# Altium PCB RK3568_DEV.PcbDoc (part 1 of 2)
Units mm, origin at the board's own origin, x right, y up, seen from the top; angles counter-clockwise.
Board outline 152.4 x 101.6 mm, 3 copper layers (Top Layer, Mid-Layer 2, Bottom Layer); 249 components, 356 nets, 1465 pads, 6 vias.
Unrouted connection lines stored in the file: 928.
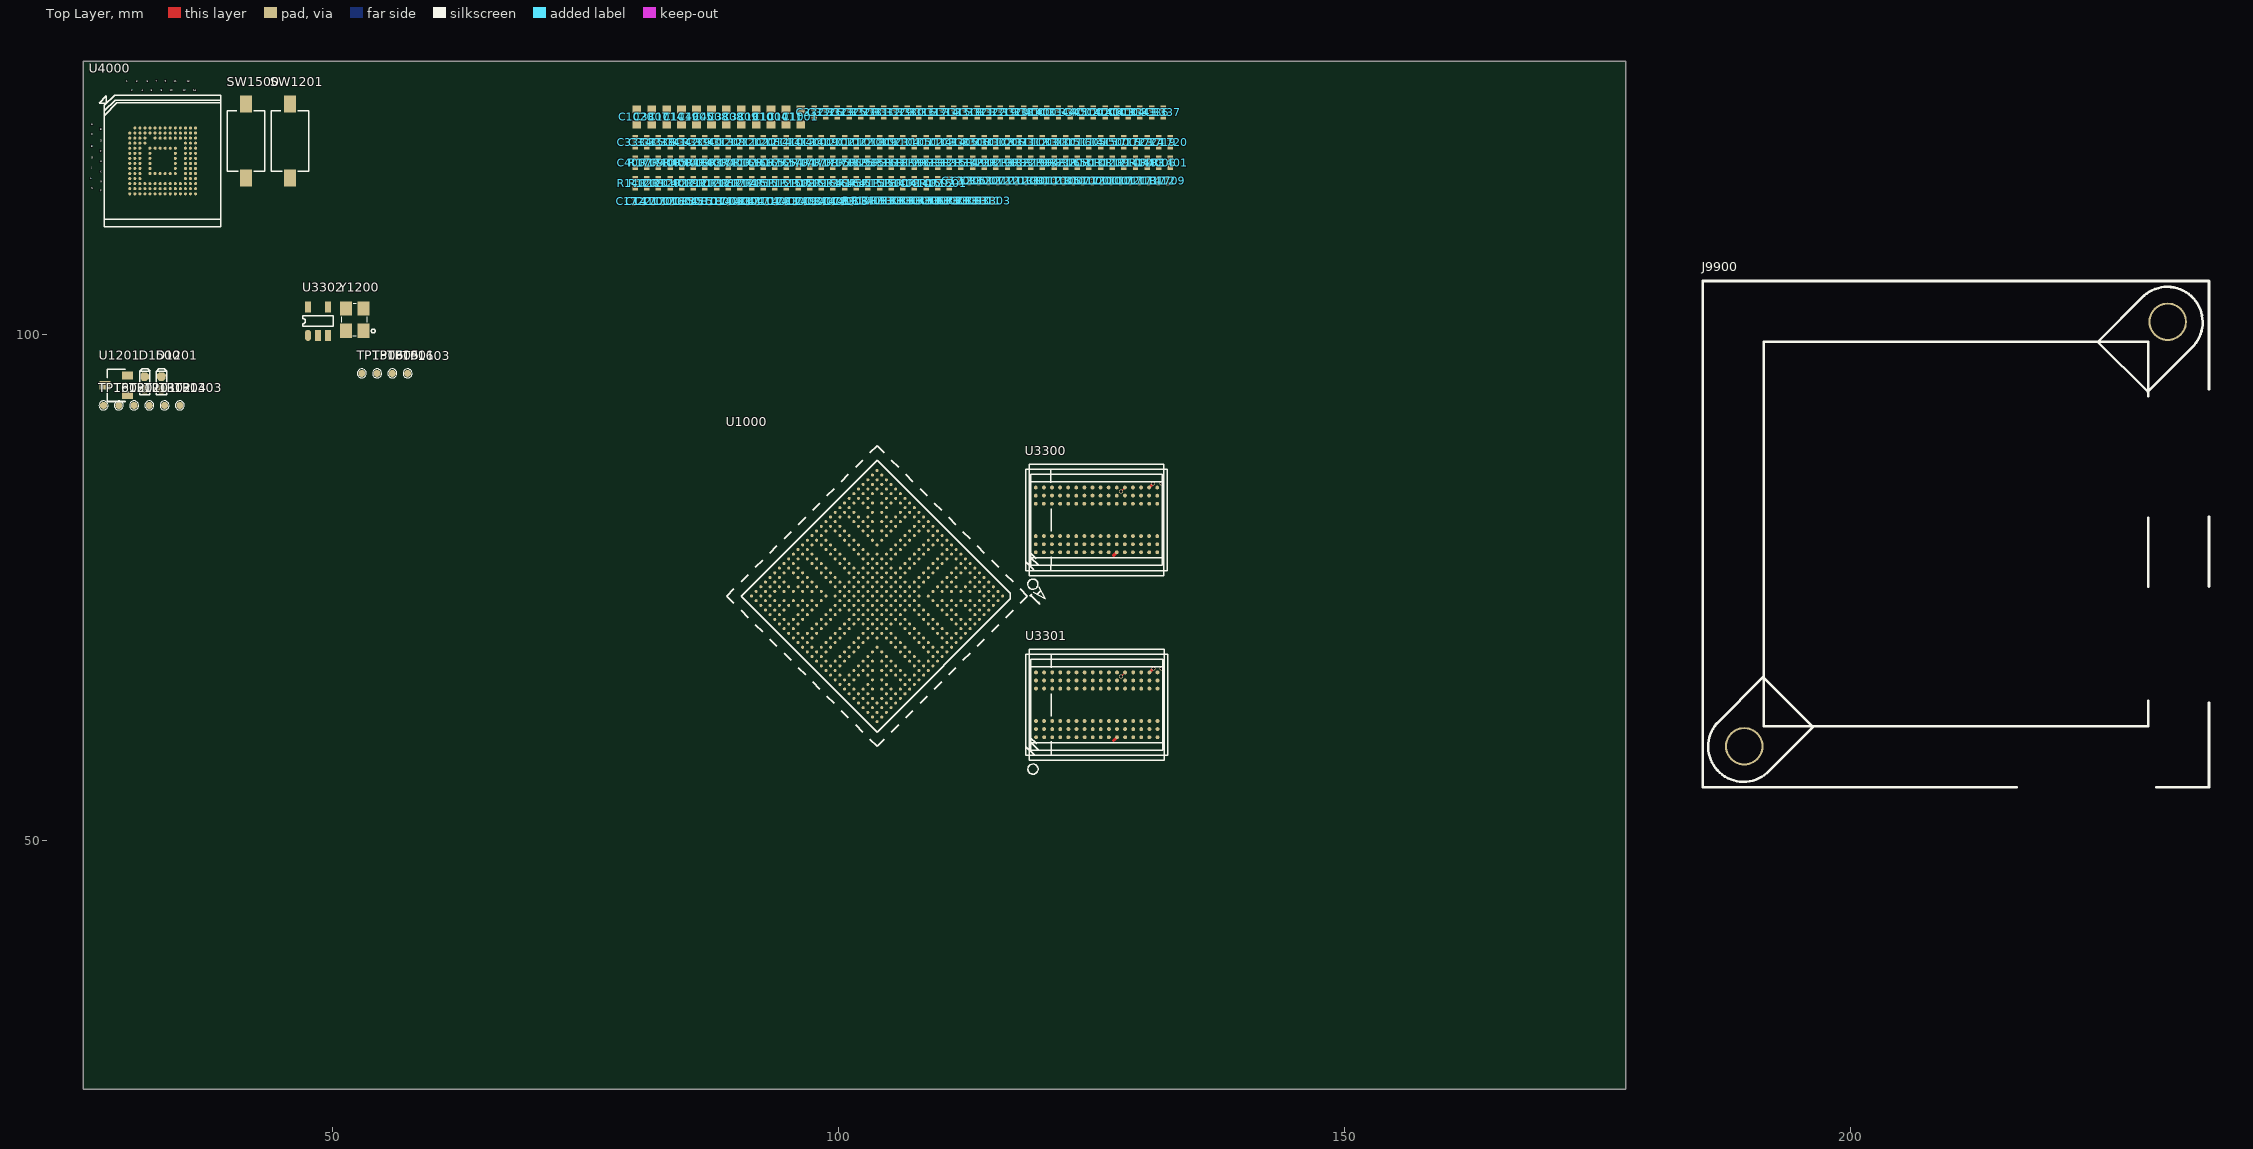
[diagram p0: Top Layer view]
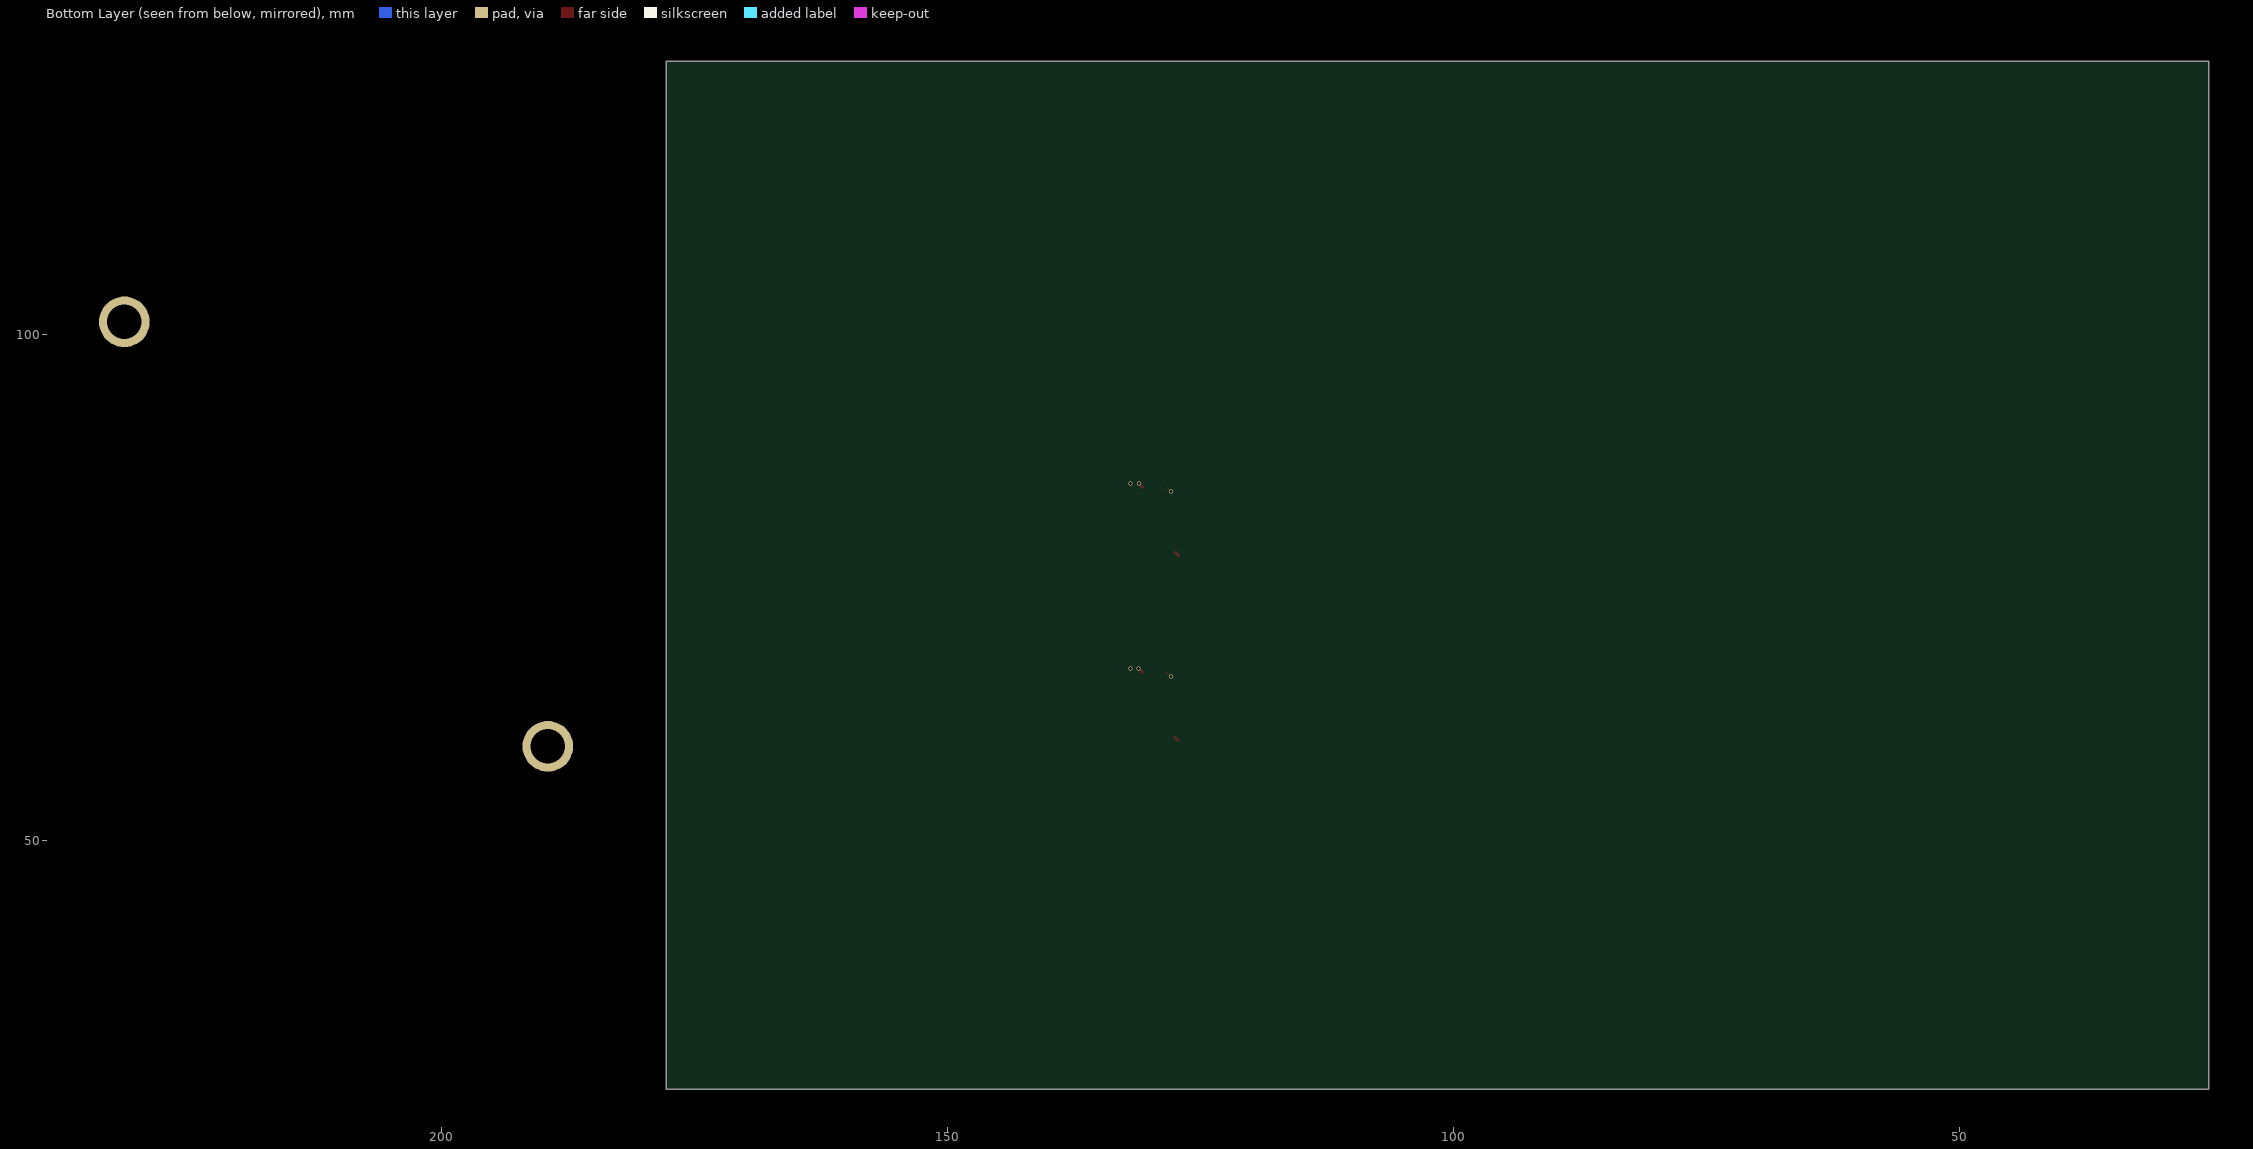
[diagram p1: Bottom Layer view, seen from below]

## Layer stack, top to bottom
Top Solder: solder mask 0.0102, Solder Resist, Dk 3.5
Top Layer: signal copper 0.0356
Dielectric 1: dielectric 0.32, FR-4, Dk 4.8
Mid-Layer 2: signal copper 0.0356
Dielectric2: dielectric 0.32, FR-4, Dk 4.8
Bottom Layer: signal copper 0.0356
Bottom Solder: solder mask 0.0102, Solder Resist, Dk 3.5

## Board outline
25.4,25.4 177.8,25.4 177.8,127 25.4,127

## Design rules (kind name [scope] priority, off if disabled: settings)
Clearance [All] p1: gap=0.254 ignorepadtopadclearanceinfootprint=FALSE
HoleSize [All] p1: absolutevalues=TRUE maxlimit=2.54 minlimit=0.3 maxpercent=80.000 minpercent=20.000
HoleToHoleClearance [All] p1: gap=0.1 allowstackedmicrovias=TRUE
MinimumSolderMaskSliver [All] p1: minsoldermaskwidth=0.1
PolygonConnect [All] p1: connectstyle=Relief reliefconductorwidth=0.254 reliefentries=4 polygonreliefangle="90 Angle" airgapwidth=0.254
RoutingVias [All] p1: holewidth=0.711 width=1.27 viastyle="Through Hole" minholewidth=0.711 minwidth=1.27 maxholewidth=0.711 maxwidth=1.27
SilkToSilkClearance [All] p1: silktosilkclearance=0.1
SilkToSolderMaskClearance [IsPad] p1: minsilkscreentomaskgap=0.1 clearancetoexposedcopper=TRUE
SolderMaskExpansion [All] p1: expansion=0.102 istentingtop=FALSE
SupplyNets "Schematic Supply Nets_20" [InNet('VCC_1V8')] p1: voltage=0.000
SupplyNets "Schematic Supply Nets_19" [InNet('USB3_AVDD_1V8')] p2: voltage=0.000
SupplyNets "Schematic Supply Nets_18" [InNet('USB2_AVDD_0V9')] p3: voltage=0.000
SupplyNets "Schematic Supply Nets_17" [InNet('VDDA_0V9')] p4: voltage=0.000
SupplyNets "Schematic Supply Nets_16" [InNet('VDD_CPU')] p5: voltage=0.000
SupplyNets "Schematic Supply Nets_15" [InNet('PCIE30_AVDD_0V9')] p6: voltage=0.000
SupplyNets "Schematic Supply Nets_14" [InNet('VCC_DDR')] p7: voltage=0.000
SupplyNets "Schematic Supply Nets_13" [InNet('VCC25_DDR')] p8: voltage=0.000
SupplyNets "Schematic Supply Nets_12" [InNet('PCIE30_AVDD_1V8')] p9: voltage=0.000
SupplyNets "Schematic Supply Nets_11" [InNet('VCC3V3_PMUIO')] p10: voltage=0.000
SupplyNets "Schematic Supply Nets_10" [InNet('USB2_AVDD_1V8')] p11: voltage=0.000
SupplyNets "Schematic Supply Nets_9" [InNet('VCCIO_FLASH')] p12: voltage=0.000
SupplyNets "Schematic Supply Nets_8" [InNet('GND')] p13: voltage=0.000
SupplyNets "Schematic Supply Nets_7" [InNet('VDD_GPU/NPU')] p14: voltage=0.000
SupplyNets "Schematic Supply Nets_6" [InNet('PCIE30_AVDD0V9')] p15: voltage=0.000
SupplyNets "Schematic Supply Nets_5" [InNet('VDD_LOGIC')] p16: voltage=0.000
SupplyNets "Schematic Supply Nets_4" [InNet('VREF_DDR4_CA')] p17: voltage=0.000
SupplyNets "Schematic Supply Nets_3" [InNet('VCCA_1V8')] p18: voltage=0.000
SupplyNets "Schematic Supply Nets_2" [InNet('USB3_AVDD_0V9')] p19: voltage=0.000
SupplyNets "Schematic Supply Nets_1" [InNet('VCC_3V3')] p20: voltage=0.000
SupplyNets "Schematic Supply Nets" [InNet('VCC3V3_SYS')] p21: voltage=0.000
Width [All] p1: maxlimit=0.254 minlimit=0.254 preferedwidth=0.254
25 further rules are at their usual default settings.

## Classes and differential pairs
component class "40.Flash-eMMC Flash": C4000 C4001 C4002 C4003 C4004 C4005 C4006 C4007 C4008 C4009 R4000 R4002 R4003 R4004 R4005 R4006 U4000
component class 33.DRAM-DDR4_2x16bit_96P: C3300 C3301 C3302 C3303 C3304 C3305 C3306 C3307 C3308 C3309 C3310 C3311 C3312 C3313 C3314 C3315 C3316 C3317 C3318 C3319 C3320 C3321 C3322 C3323 C3325 C3326 C3327 C3328 C3329 C3330 C3331 C3332 C3333 C3334 C3335 C3336 C3337 C3338 C3339 C3340 C3341 C3342 C3343 C3344 C3345 R3300 R3301 R3302 R3303 R3304 R3305 R3306 R3307 R3308 R3309 R3310 R3311 R3312 R3313 R3314 R3315 R3316 R3317 R3318 R3319 R3320 R3321 R3322 R3323 R3325 U3300 U3301 U3302
component class "19.RK3568_Audio Interface": C1900 R1901 R1902 R1904 R1905 R1906
component class "18.RK3568_VO Interface_2": C1800 C1801 R1803 R1813
component class "17.RK3568_VO Interface_1": C1700 C1701 C1708 C1709 C1710 C1712 C1716 C1717 C1718 C1719 C1720 C1721 C1722 C1723 C1724 R1704 R1705 R1706 R1707 R1708 R1709 R1710 R1711 R1713
component class "16.RK3568_VI Interface": C1604 C1605 R1641 R1643 R1645 R1650 R1652 R1654 R1660 R1667 TP1601 TP1602 TP1603
component class 15.RK3568_SARADCGPIO: C1500 C1508 C1510 C1511 C1517 D1500 R1500 R1501 R1502 R1508 R1509 R1510 R1511 R1512 R1513 R1515 R1516 SW1500
component class "14.RK3568_USBPCIeSATA PHY": C1400 C1401 C1402 C1403 C1404 C1405 C1406 C1407 C1408 C1409 C1410 C1411 C1412 C1413 C1414 C1415 R1400 R1401 R1402 R1403 R1406 R1407 R1408 R1410
component class "13.RK3568_FlashSD Controller": C1300 C1301 R1310 R1311 TP1301 TP1302 TP1303 TP1304 TP1305 TP1306
component class 12.RK3568_OSCPLLPMUIO: C1200 C1201 C1202 C1203 C1205 C1206 C1207 C1208 C1209 C1210 C1211 C1212 C1213 C1214 D1201 R1200 R1201 R1202 R1203 R1204 R1205 R1206 R1207 R1208 R1209 R1210 SW1201 TP1201 U1201 Y1200
component class "11.RK3568_DDR PHY": C1100 C1101 C1102 C1103 C1104 C1105 R1100
component class 10.RK3568_PowerGND: C1000 C1001 C1002 C1003 C1004 C1005 C1006 C1007 C1009 C1010 C1011 C1012 C1013 C1014 C1017 C1018 C1019 C1020 C1021 C1022 C1023 J9900 U1000

## Components (designator, comment, footprint, x,y, rotation, side; value= is the part's Value field where it differs from the comment)
C1000 "100nF" C0201 125.101,115.168 r90 top
C1001 "22uF" C0603 96.321,121.475 r90 top
C1002 "4.7uF" C0402 125.219,121.933 r90 top
C1003 "4.7uF" C0402 120.181,119.01 r90 top
C1004 "22uF" C0603 93.374,121.475 r90 top
C1005 "100nF" C0201 122.3,115.168 r90 top
C1006 "4.7uF" C0402 116.732,119.01 r90 top
C1007 "100nF" C0201 123.234,115.168 r90 top
C1009 "4.7uF" C0402 104.087,119.01 r90 top
C1010 "22uF" C0603 91.901,121.475 r90 top
C1011 "10uF" C0603 94.848,121.475 r90 top
C1012 "100nF" C0201 120.433,115.168 r90 top
C1013 "100nF" C0201 121.367,115.168 r90 top
C1014 "22uF" C0603 83.059,121.475 r90 top
C1017 "100nF" C0201 124.168,115.168 r90 top
C1018 "4.7uF" C0402 102.937,119.01 r90 top
C1019 "22uF" C0603 84.533,121.475 r90 top
C1020 "10uF" C0603 80.112,121.475 r90 top
C1021 "4.7uF" C0402 100.638,119.01 r90 top
C1022 "4.7uF" C0402 101.787,119.01 r90 top
C1023 "4.7uF" C0402 105.236,119.01 r90 top
C1100 "100nF" C0201 126.968,115.168 r90 top
C1101 "100nF" C0201 127.902,115.168 r90 top
C1102 "4.7uF" C0402 108.685,119.01 r90 top
C1103 "4.7uF" C0402 109.835,119.01 r90 top
C1104 "4.7uF" C0402 106.386,119.01 r90 top
C1105 "4.7uF" C0402 107.535,119.01 r90 top
C1200 "100nF" C0201 126.035,115.168 r90 top
C1201 "18pF" C0402 99.488,119.01 r90 top
C1202 "18pF" C0402 91.441,119.01 r90 top
C1203 "100nF" C0201 112.031,115.168 r90 top
C1205 "100nF" C0201 112.964,115.168 r90 top
C1206 "1uF" C0402 92.59,119.01 r90 top
C1207 "100nF" C0201 114.832,115.168 r90 top
C1208 "4.7uF" C0402 89.142,119.01 r90 top
C1209 "100nF" C0201 118.566,115.168 r90 top
C1210 "100nF" C0201 116.699,115.168 r90 top
C1211 "1uF" C0402 90.291,119.01 r90 top
C1212 "100nF" C0201 115.765,115.168 r90 top
C1213 "100nF" C0201 117.632,115.168 r90 top
C1214 "1uF" C0402 93.74,119.01 r90 top
C1300 "100nF" C0201 113.898,115.168 r90 top
C1301 "100nF" C0201 119.5,115.168 r90 top
C1400 "100nF" C0402 97.189,119.01 r90 top
C1401 "100nF" C0201 93.846,113.127 r90 top
C1402 "100nF" C0201 94.779,113.127 r90 top
C1403 "100nF" C0201 89.178,113.127 r90 top
C1404 "100nF" C0201 90.111,113.127 r90 top
C1405 "100nF" C0201 99.447,113.127 r90 top
C1406 "100nF" C0201 100.381,113.127 r90 top
C1407 "100nF" C0201 98.514,113.127 r90 top
C1408 "100nF" C0201 96.647,113.127 r90 top
C1409 "4.7uF" C0402 98.339,119.01 r90 top
C1410 "4.7uF" C0402 94.89,119.01 r90 top
C1411 "100nF" C0201 80.775,113.127 r90 top
C1412 "100nF" C0201 131.636,115.168 r90 top
C1413 "4.7uF" C0402 96.039,119.01 r90 top
C1414 "4.7uF" C0402 110.984,119.01 r90 top
C1415 "1uF" C0402 125.929,119.01 r90 top
C1500 "1nF" C0402 127.079,119.01 r90 top
C1508 "100nF" C0201 85.443,113.127 r90 top
C1510 "100nF" C0201 86.377,113.127 r90 top
C1511 "1uF" C0402 123.63,119.01 r90 top
C1517 "100nF" C0201 87.311,113.127 r90 top
C1604 "100nF" C0201 84.51,113.127 r90 top
C1605 "1uF" C0402 124.779,119.01 r90 top
C1700 "100nF" C0201 81.709,113.127 r90 top
C1701 "100nF" C0201 82.643,113.127 r90 top
C1708 "100nF" C0201 83.576,113.127 r90 top
C1709 "100nF" C0201 132.57,115.168 r90 top
C1710 "100nF" C0201 91.979,113.127 r90 top
C1712 "100nF" C0201 92.912,113.127 r90 top
C1716 "100nF" C0402 128.228,119.01 r90 top
C1717 "100nF" C0201 130.703,115.168 r90 top
C1718 "100nF" C0201 129.769,115.168 r90 top
C1719 "1uF" C0402 131.677,119.01 r90 top
C1720 "1uF" C0402 132.827,119.01 r90 top
C1721 "100nF" C0201 128.836,115.168 r90 top
C1722 "100nF" C0201 79.842,113.127 r90 top
C1723 "4.7uF" C0402 129.378,119.01 r90 top
C1724 "4.7uF" C0402 130.527,119.01 r90 top
C1800 "100nF" C0201 88.244,113.127 r90 top
C1801 "1uF" C0402 122.48,119.01 r90 top
C1900 "100nF" C0201 97.58,113.127 r90 top
C3300 "100pF" C0201 95.713,113.127 r90 top
C3301 "1nF" C0402 114.433,119.01 r90 top
C3302 "1nF" C0402 115.583,119.01 r90 top
C3303 "1nF" C0201 101.315,113.127 r90 top
C3304 "1nF" C0201 91.045,113.127 r90 top
C3305 "1nF" C0402 112.134,119.01 r90 top
C3306 "1nF" C0402 113.283,119.01 r90 top
C3307 "10uF" C0603 81.585,121.475 r90 top
C3308 "10uF" C0603 88.953,121.475 r90 top
C3309 "10uF" C0603 90.427,121.475 r90 top
C3310 "1uF" C0402 121.331,119.01 r90 top
C3311 "100nF" C0402 117.882,119.01 r90 top
C3312 "100nF" C0402 119.031,119.01 r90 top
C3313 "100nF" C0402 87.992,119.01 r90 top
C3314 "100nF" C0402 110.274,121.933 r90 top
C3315 "100nF" C0402 111.423,121.933 r90 top
C3316 "100nF" C0402 107.975,121.933 r90 top
C3317 "100nF" C0402 109.124,121.933 r90 top
C3318 "100nF" C0402 112.573,121.933 r90 top
C3319 "100nF" C0402 116.022,121.933 r90 top
C3320 "100nF" C0402 117.171,121.933 r90 top
C3321 "100nF" C0402 113.723,121.933 r90 top
C3322 "1uF" C0402 114.872,121.933 r90 top
C3323 "4.7uF" C0402 99.927,121.933 r90 top
C3325 "100nF" C0402 101.077,121.933 r90 top
C3326 "100nF" C0402 98.778,121.933 r90 top
C3327 "100nF" C0402 97.628,121.933 r90 top
C3328 "100nF" C0402 102.227,121.933 r90 top
C3329 "100nF" C0402 105.675,121.933 r90 top
C3330 "DNP" C0402 106.825,121.933 r90 top
C3331 "1uF" C0402 103.376,121.933 r90 top
C3332 "100nF" C0402 104.526,121.933 r90 top
C3333 "100nF" C0402 118.321,121.933 r90 top
C3334 "100nF" C0402 79.945,119.01 r90 top
C3335 "100nF" C0402 81.094,119.01 r90 top
C3336 "100nF" C0402 130.967,121.933 r90 top
C3337 "100nF" C0402 132.116,121.933 r90 top
C3338 "100nF" C0402 82.244,119.01 r90 top
C3339 "100nF" C0402 85.693,119.01 r90 top
C3340 "100nF" C0402 86.842,119.01 r90 top
C3341 "100nF" C0402 83.394,119.01 r90 top
C3342 "100nF" C0402 84.543,119.01 r90 top
C3343 "100nF" C0402 129.817,121.933 r90 top
C3344 "100nF" C0402 121.77,121.933 r90 top
C3345 "100nF" C0402 122.919,121.933 r90 top
C4000 "100nF" C0402 119.471,121.933 r90 top
C4001 "100nF" C0402 120.62,121.933 r90 top
C4002 "100nF" C0402 124.069,121.933 r90 top
C4003 "100nF" C0402 127.518,121.933 r90 top
C4004 "100nF" C0402 128.667,121.933 r90 top
C4005 "4.7uF" C0603 86.006,121.475 r90 top
C4006 "100nF" C0402 126.368,121.933 r90 top
C4007 "100nF" C0402 79.945,116.969 r90 top
C4008 "4.7uF" C0603 87.48,121.475 r90 top
C4009 "2.2uF" C0402 84.543,114.928 r90 top
D1201 "ESD5451N" ESD0402 33.16,95.187 r90 top
D1500 "ESD5451N" ESD0402 31.507,95.187 r90 top
J9900 "散热器" RADIATOR_38RX38RX10R 210.439,80.264 r0 top
R1100 "120R" R0201 102.248,113.193 r90 top
R1200 "22R" R0402 85.698,114.911 r90 top
R1201 "0R" R0402 82.249,114.911 r90 top
R1202 "1M" R0402 83.399,114.911 r90 top
R1203 "10K" R0402 86.847,114.911 r90 top
R1204 "22R" R0402 90.296,114.911 r90 top
R1205 "0R" R0402 91.446,114.911 r90 top
R1206 "0R" R0402 87.997,114.911 r90 top
R1207 "2.2K" R0402 89.147,114.911 r90 top
R1208 "2.2K" R0402 81.099,114.911 r90 top
R1209 "2.2K" R0402 127.084,116.952 r90 top
R1210 "2.2K" R0402 128.233,116.952 r90 top
R1310 "22R" R0402 124.784,116.952 r90 top
R1311 "22R" R0402 125.934,116.952 r90 top
R1400 "0R" R0402 129.383,116.952 r90 top
R1401 "0R" R0402 132.832,116.952 r90 top
R1402 "0R" R0402 79.95,114.911 r90 top
R1403 "0R" R0402 130.532,116.952 r90 top
R1406 "200R" R0201 103.182,113.193 r90 top
R1407 "0R" R0402 108.69,114.911 r90 top
R1408 "0R" R0402 106.391,114.911 r90 top
R1410 "0R" R0402 107.54,114.911 r90 top
R1500 "10K" R0402 105.241,114.911 r90 top
R1501 "100R" R0402 110.989,114.911 r90 top
R1502 "0R" R0402 109.84,114.911 r90 top
R1508 "22R" R0402 96.044,114.911 r90 top
R1509 "22R" R0402 97.194,114.911 r90 top
R1510 "22R" R0402 94.895,114.911 r90 top
R1511 "22R" R0402 92.595,114.911 r90 top
R1512 "22R" R0402 93.745,114.911 r90 top
R1513 "22R" R0402 98.343,114.911 r90 top
R1515 "22R" R0402 102.942,114.911 r90 top
R1516 "0R" R0402 104.091,114.911 r90 top
R1641 "22R" R0402 101.792,114.911 r90 top
R1643 "22R" R0402 99.493,114.911 r90 top
R1645 "22R" R0402 100.643,114.911 r90 top
R1650 "22R" R0402 123.635,116.952 r90 top
R1652 "22R" R0402 93.745,116.952 r90 top
R1654 "22R" R0402 94.895,116.952 r90 top
R1660 "22R" R0402 91.446,116.952 r90 top
R1667 "0R" R0402 92.595,116.952 r90 top
R1704 "2.2R" R0402 96.044,116.952 r90 top
R1705 "2.2R" R0402 99.493,116.952 r90 top
R1706 "2.2R" R0402 100.643,116.952 r90 top
R1707 "2.2R" R0402 97.194,116.952 r90 top
R1708 "2.2R" R0402 98.343,116.952 r90 top
R1709 "2.2R" R0402 81.099,116.952 r90 top
R1710 "2.2R" R0402 82.249,116.952 r90 top
R1711 "2.2R" R0402 89.147,116.952 r90 top
R1713 "1.62K" R0201 104.115,113.193 r90 top
R1803 "0R" R0402 86.847,116.952 r90 top
R1813 "22R" R0402 115.588,116.952 r90 top
R1901 "0R" R0402 116.737,116.952 r90 top
R1902 "0R" R0402 114.438,116.952 r90 top
R1904 "0R" R0402 120.186,116.952 r90 top
R1905 "2.2K" R0402 102.942,116.952 r90 top
R1906 "2.2K" R0402 107.54,116.952 r90 top
R3300 "49.9R" R0201 112.518,113.193 r90 top
R3301 "49.9R" R0201 111.584,113.193 r90 top
R3302 "22R" R0201 110.651,113.193 r90 top
R3303 "22R" R0201 115.319,113.193 r90 top
R3304 "22R" R0201 106.916,113.193 r90 top
R3305 "22R" R0201 107.85,113.193 r90 top
R3306 "0R" R0201 108.783,113.193 r90 top
R3307 "0R" R0201 109.717,113.193 r90 top
R3308 "0R" R0201 105.049,113.193 r90 top
R3309 "0R" R0201 105.983,113.193 r90 top
R3310 "0R" R0201 113.451,113.193 r90 top
R3311 "0R" R0201 114.385,113.193 r90 top
R3312 "240R" R0402 109.84,116.952 r90 top
R3313 "240R" R0402 108.69,116.952 r90 top
R3314 "0R" R0402 112.139,116.952 r90 top
R3315 "0R" R0402 110.989,116.952 r90 top
R3316 "0R" R0402 104.091,116.952 r90 top
R3317 "0R" R0402 106.391,116.952 r90 top
R3318 "0R" R0402 105.241,116.952 r90 top
R3319 "0R" R0402 119.036,116.952 r90 top
R3320 "0R" R0402 122.485,116.952 r90 top
R3321 "1K" R0402 121.336,116.952 r90 top
R3322 "0R" R0402 117.887,116.952 r90 top
R3323 "1K" R0402 113.288,116.952 r90 top
R3325 "10K" R0402 101.792,116.952 r90 top
R4000 "0R" R0402 87.997,116.952 r90 top
R4002 "0R" R0402 90.296,116.952 r90 top
R4003 "10K" R0402 85.698,116.952 r90 top
R4004 "10K" R0402 84.548,116.952 r90 top
R4005 "10K" R0402 83.399,116.952 r90 top
R4006 "47K" R0402 131.682,116.952 r90 top
SW1201 "TS-1125HS" SW2_6R00X3R70X2R50 45.835,119.066 r0 top
SW1500 "TS-1125HS" SW2_6R00X3R70X2R50 41.5,119.066 r0 top
TP1201 "TP_0.7" TP_0R70 30.441,92.972 r90 top
TP1301 "TP_0.7" TP_0R70 28.933,92.972 r90 top
TP1302 "TP_0.7" TP_0R70 31.949,92.972 r90 top
TP1303 "TP_0.7" TP_0R70 34.966,92.972 r90 top
TP1304 "TP_0.7" TP_0R70 33.457,92.972 r90 top
TP1305 "TP_0.7" TP_0R70 54.45,96.14 r90 top
TP1306 "TP_0.7" TP_0R70 52.942,96.14 r90 top
TP1601 "TP_0.7" TP_0R70 55.959,96.14 r90 top
TP1602 "TP_0.7" TP_0R70 27.424,92.972 r90 top
TP1603 "TP_0.7" TP_0R70 57.467,96.14 r90 top
U1000 "RK3568" BGA636_19R00X19R00X1R20 103.852,74.139 r225 top
U1201 "TCS9819" SOT_23 28.676,94.964 r90 top
U3300 "DDR4_16bit_SDP" FBGA96_14R00X11R00X1R20 125.53,81.662 r90 top
U3301 "DDR4_16bit_SDP" FBGA96_14R00X11R00X1R20 125.555,63.396 r90 top
U3302 "PT5108E23E-25" SOT_23_5 48.621,101.3 r90 top
U4000 "EMMC_B153_2L" BGA153_13RX11R5X0R9_2L 33.265,117.134 r0 top
Y1200 "24MHz" CRY4_3R20X2R50X0R80 52.244,101.45 r90 top

## Footprints (in the part's own frame and the unit in brackets; to place one, negate y for a bottom-side part, rotate by r counter-clockwise, add the part's x,y. Pads: shape width x height; smd on the part's side, far side on the other; paste and mask are expansions set on the pad)
BGA153_13RX11R5X0R9_2L [mm] "BGA153_13RX11R5X0R9_2L"
  round 0.3 smd: A2(-2.75,3.25) A3(-2.25,3.25) A4(-1.75,3.25) A5(-1.25,3.25) A6(-0.75,3.25) A7(-0.25,3.25) A8(0.25,3.25) A9(0.75,3.25) A10(1.25,3.25) A11(1.75,3.25) A12(2.25,3.25) A13(2.75,3.25) A14(3.25,3.25) B1(-3.25,2.75) B2(-2.75,2.75) B3(-2.25,2.75) B4(-1.75,2.75) B5(-1.25,2.75) B6(-0.75,2.75) B7(-0.25,2.75) B8(0.25,2.75) B9(0.75,2.75) B10(1.25,2.75) B11(1.75,2.75) B12(2.25,2.75) B13(2.75,2.75) B14(3.25,2.75) C1(-3.25,2.25) C2(-2.75,2.25) C3(-2.25,2.25) C4(-1.75,2.25) C6(-0.75,2.25) C7(-0.25,2.25) C8(0.25,2.25) C9(0.75,2.25) C10(1.25,2.25) C11(1.75,2.25) C12(2.25,2.25) C13(2.75,2.25) C14(3.25,2.25) D1(-3.25,1.75) D2(-2.75,1.75) D3(-2.25,1.75) D4(-1.75,1.75) D12(2.25,1.75) D13(2.75,1.75) D14(3.25,1.75) E1(-3.25,1.25) E2(-2.75,1.25) E3(-2.25,1.25) E5(-1.25,1.25) E6(-0.75,1.25) E7(-0.25,1.25) E8(0.25,1.25) E9(0.75,1.25) E10(1.25,1.25) E12(2.25,1.25) E13(2.75,1.25) E14(3.25,1.25) F1(-3.25,0.75) F2(-2.75,0.75) F3(-2.25,0.75) F5(-1.25,0.75) F10(1.25,0.75) F12(2.25,0.75) F13(2.75,0.75) F14(3.25,0.75) G1(-3.25,0.25) G2(-2.75,0.25) G3(-2.25,0.25) G5(-1.25,0.25) G10(1.25,0.25) G12(2.25,0.25) G13(2.75,0.25) G14(3.25,0.25) H1(-3.25,-0.25) H2(-2.75,-0.25) H3(-2.25,-0.25) H5(-1.25,-0.25) H10(1.25,-0.25) H12(2.25,-0.25) H13(2.75,-0.25) H14(3.25,-0.25) J1(-3.25,-0.75) J2(-2.75,-0.75) J3(-2.25,-0.75) J5(-1.25,-0.75) J10(1.25,-0.75) J12(2.25,-0.75) J13(2.75,-0.75) J14(3.25,-0.75) K1(-3.25,-1.25) K2(-2.75,-1.25) K3(-2.25,-1.25) K5(-1.25,-1.25) K6(-0.75,-1.25) K7(-0.25,-1.25) K8(0.25,-1.25) K9(0.75,-1.25) K10(1.25,-1.25) K12(2.25,-1.25) K13(2.75,-1.25) K14(3.25,-1.25) L1(-3.25,-1.75) L2(-2.75,-1.75) L3(-2.25,-1.75) L12(2.25,-1.75) L13(2.75,-1.75) L14(3.25,-1.75) M1(-3.25,-2.25) M2(-2.75,-2.25) M3(-2.25,-2.25) M4(-1.75,-2.25) M5(-1.25,-2.25) M6(-0.75,-2.25) M7(-0.25,-2.25) M8(0.25,-2.25) M9(0.75,-2.25) M10(1.25,-2.25) M11(1.75,-2.25) M12(2.25,-2.25) M13(2.75,-2.25) M14(3.25,-2.25) N1(-3.25,-2.75) N2(-2.75,-2.75) N3(-2.25,-2.75) N4(-1.75,-2.75) N5(-1.25,-2.75) N6(-0.75,-2.75) N7(-0.25,-2.75) N8(0.25,-2.75) N9(0.75,-2.75) N10(1.25,-2.75) N11(1.75,-2.75) N12(2.25,-2.75) N13(2.75,-2.75) N14(3.25,-2.75) P1(-3.25,-3.25) P2(-2.75,-3.25) P3(-2.25,-3.25) P4(-1.75,-3.25) P5(-1.25,-3.25) P6(-0.75,-3.25) P7(-0.25,-3.25) P8(0.25,-3.25) P9(0.75,-3.25) P10(1.25,-3.25) P11(1.75,-3.25) P12(2.25,-3.25) P13(2.75,-3.25) P14(3.25,-3.25)
  silkscreen extent -6.28,-6.5 5.75,6.5, body extent -5.77,-5.77 5.74,5.99, height 0.9
BGA636_19R00X19R00X1R20 [mm] "BGA636_19R00X19R00X1R20"
  round 0.3 smd: A1(-8.775,8.775) A2(-8.125,8.775) A3(-7.475,8.775) A4(-6.825,8.775) A5(-6.175,8.775) A6(-5.525,8.775) A7(-4.875,8.775) A8(-4.225,8.775) A9(-3.575,8.775) A10(-2.925,8.775) A11(-2.275,8.775) A12(-1.625,8.775) A13(-0.975,8.775) A14(-0.325,8.775) A15(0.325,8.775) A16(0.975,8.775) A17(1.625,8.775) A18(2.275,8.775) A19(2.925,8.775) A20(3.575,8.775) A21(4.225,8.775) A22(4.875,8.775) A23(5.525,8.775) A24(6.175,8.775) A25(6.825,8.775) A26(7.475,8.775) A27(8.125,8.775) A28(8.775,8.775) AA1(-8.775,-4.225) AA2(-8.125,-4.225) AA3(-7.475,-4.225) AA4(-6.825,-4.225) AA5(-6.175,-4.225) AA6(-5.525,-4.225) AA7(-4.875,-4.225) AA9(-3.575,-4.225) AA11(-2.275,-4.225) AA12(-1.625,-4.225) AA14(-0.325,-4.225) AA15(0.325,-4.225) AA17(1.625,-4.225) AA18(2.275,-4.225) AA20(3.575,-4.225) AA22(4.875,-4.225) AA23(5.525,-4.225) AA24(6.175,-4.225) AA25(6.825,-4.225) AA26(7.475,-4.225) AA27(8.125,-4.225) AA28(8.775,-4.225) AB1(-8.775,-4.875) AB2(-8.125,-4.875) AB5(-6.175,-4.875) AB6(-5.525,-4.875) AB8(-4.225,-4.875) AB9(-3.575,-4.875) AB11(-2.275,-4.875) AB12(-1.625,-4.875) AB14(-0.325,-4.875) AB15(0.325,-4.875) AB17(1.625,-4.875) AB18(2.275,-4.875) AB20(3.575,-4.875) AB21(4.225,-4.875) AB23(5.525,-4.875) AB24(6.175,-4.875) AB27(8.125,-4.875) AB28(8.775,-4.875) AC1(-8.775,-5.525) AC2(-8.125,-5.525) AC3(-7.475,-5.525) AC4(-6.825,-5.525) AC5(-6.175,-5.525) AC7(-4.875,-5.525) AC8(-4.225,-5.525) AC9(-3.575,-5.525) AC11(-2.275,-5.525) AC12(-1.625,-5.525) AC14(-0.325,-5.525) AC15(0.325,-5.525) AC17(1.625,-5.525) AC18(2.275,-5.525) AC20(3.575,-5.525) AC21(4.225,-5.525) AC22(4.875,-5.525) AC24(6.175,-5.525) AC25(6.825,-5.525) AC26(7.475,-5.525) AC27(8.125,-5.525) AC28(8.775,-5.525) AD1(-8.775,-6.175) AD2(-8.125,-6.175) AD3(-7.475,-6.175) AD4(-6.825,-6.175) AD6(-5.525,-6.175) AD7(-4.875,-6.175) AD8(-4.225,-6.175) AD9(-3.575,-6.175) AD11(-2.275,-6.175) AD12(-1.625,-6.175) AD14(-0.325,-6.175) AD15(0.325,-6.175) AD17(1.625,-6.175) AD18(2.275,-6.175) AD20(3.575,-6.175) AD21(4.225,-6.175) AD22(4.875,-6.175) AD23(5.525,-6.175) AD25(6.825,-6.175) AD26(7.475,-6.175) AD27(8.125,-6.175) AD28(8.775,-6.175) AE1(-8.775,-6.825) AE2(-8.125,-6.825) AE3(-7.475,-6.825) AE5(-6.175,-6.825) AE6(-5.525,-6.825) AE8(-4.225,-6.825) AE9(-3.575,-6.825) AE11(-2.275,-6.825) AE12(-1.625,-6.825) AE14(-0.325,-6.825) AE15(0.325,-6.825) AE17(1.625,-6.825) AE18(2.275,-6.825) AE20(3.575,-6.825) AE21(4.225,-6.825) AE23(5.525,-6.825) AE24(6.175,-6.825) AE26(7.475,-6.825) AE27(8.125,-6.825) AE28(8.775,-6.825) AF1(-8.775,-7.475) AF2(-8.125,-7.475) AF3(-7.475,-7.475) AF4(-6.825,-7.475) AF5(-6.175,-7.475) AF6(-5.525,-7.475) AF8(-4.225,-7.475) AF9(-3.575,-7.475) AF11(-2.275,-7.475) AF12(-1.625,-7.475) AF14(-0.325,-7.475) AF15(0.325,-7.475) AF17(1.625,-7.475) AF18(2.275,-7.475) AF20(3.575,-7.475) AF21(4.225,-7.475) AF23(5.525,-7.475) AF24(6.175,-7.475) AF25(6.825,-7.475) AF26(7.475,-7.475) AF27(8.125,-7.475) AF28(8.775,-7.475) AG1(-8.775,-8.125) AG2(-8.125,-8.125) AG3(-7.475,-8.125) AG4(-6.825,-8.125) AG5(-6.175,-8.125) AG6(-5.525,-8.125) AG7(-4.875,-8.125) AG8(-4.225,-8.125) AG9(-3.575,-8.125) AG10(-2.925,-8.125) AG11(-2.275,-8.125) AG12(-1.625,-8.125) AG13(-0.975,-8.125) AG14(-0.325,-8.125) AG15(0.325,-8.125) AG16(0.975,-8.125) AG17(1.625,-8.125) AG18(2.275,-8.125) AG19(2.925,-8.125) AG20(3.575,-8.125) AG21(4.225,-8.125) AG22(4.875,-8.125) AG23(5.525,-8.125) AG24(6.175,-8.125) AG25(6.825,-8.125) AG26(7.475,-8.125) AG27(8.125,-8.125) AG28(8.775,-8.125) AH1(-8.775,-8.775) AH2(-8.125,-8.775) AH3(-7.475,-8.775) AH4(-6.825,-8.775) AH5(-6.175,-8.775) AH6(-5.525,-8.775) AH7(-4.875,-8.775) AH8(-4.225,-8.775) AH9(-3.575,-8.775) AH10(-2.925,-8.775) AH11(-2.275,-8.775) AH12(-1.625,-8.775) AH13(-0.975,-8.775) AH14(-0.325,-8.775) AH15(0.325,-8.775) AH16(0.975,-8.775) AH17(1.625,-8.775) AH18(2.275,-8.775) AH19(2.925,-8.775) AH20(3.575,-8.775) AH21(4.225,-8.775) AH22(4.875,-8.775) AH23(5.525,-8.775) AH24(6.175,-8.775) AH25(6.825,-8.775) AH26(7.475,-8.775) AH27(8.125,-8.775) AH28(8.775,-8.775) B1(-8.775,8.125) B2(-8.125,8.125) B3(-7.475,8.125) B4(-6.825,8.125) B5(-6.175,8.125) B6(-5.525,8.125) B7(-4.875,8.125) B8(-4.225,8.125) B9(-3.575,8.125) B10(-2.925,8.125) B11(-2.275,8.125) B12(-1.625,8.125) B13(-0.975,8.125) B14(-0.325,8.125) B15(0.325,8.125) B16(0.975,8.125) B17(1.625,8.125) B18(2.275,8.125) B19(2.925,8.125) B20(3.575,8.125) B21(4.225,8.125) B22(4.875,8.125) B23(5.525,8.125) B24(6.175,8.125) B25(6.825,8.125) B26(7.475,8.125) B27(8.125,8.125) B28(8.775,8.125) C1(-8.775,7.475) C2(-8.125,7.475) C3(-7.475,7.475) C4(-6.825,7.475) C5(-6.175,7.475) C6(-5.525,7.475) C8(-4.225,7.475) C9(-3.575,7.475) C11(-2.275,7.475) C12(-1.625,7.475) C14(-0.325,7.475) C15(0.325,7.475) C17(1.625,7.475) C18(2.275,7.475) C20(3.575,7.475) C21(4.225,7.475) C23(5.525,7.475) C24(6.175,7.475) C25(6.825,7.475) C26(7.475,7.475) C27(8.125,7.475) C28(8.775,7.475) D1(-8.775,6.825) D2(-8.125,6.825) D3(-7.475,6.825) D5(-6.175,6.825) D6(-5.525,6.825) D8(-4.225,6.825) D9(-3.575,6.825) D11(-2.275,6.825) D12(-1.625,6.825) D14(-0.325,6.825) D15(0.325,6.825) D17(1.625,6.825) D18(2.275,6.825) D20(3.575,6.825) D21(4.225,6.825) D23(5.525,6.825) D24(6.175,6.825) D26(7.475,6.825) D27(8.125,6.825) D28(8.775,6.825) E1(-8.775,6.175) E2(-8.125,6.175) E3(-7.475,6.175) E4(-6.825,6.175) E6(-5.525,6.175) E7(-4.875,6.175) E8(-4.225,6.175) E9(-3.575,6.175) E11(-2.275,6.175) E12(-1.625,6.175) E14(-0.325,6.175) E15(0.325,6.175) E17(1.625,6.175) E18(2.275,6.175) E20(3.575,6.175) E21(4.225,6.175) E22(4.875,6.175) E23(5.525,6.175) E25(6.825,6.175) E26(7.475,6.175) E27(8.125,6.175) E28(8.775,6.175) F1(-8.775,5.525) F2(-8.125,5.525) F3(-7.475,5.525) F4(-6.825,5.525) F5(-6.175,5.525) F7(-4.875,5.525) F8(-4.225,5.525) F9(-3.575,5.525) F11(-2.275,5.525) F12(-1.625,5.525) F14(-0.325,5.525) F15(0.325,5.525) F17(1.625,5.525) F18(2.275,5.525) F20(3.575,5.525) F21(4.225,5.525) F22(4.875,5.525) F24(6.175,5.525) F25(6.825,5.525) F26(7.475,5.525) F27(8.125,5.525) F28(8.775,5.525) G1(-8.775,4.875) G2(-8.125,4.875) G5(-6.175,4.875) G6(-5.525,4.875) G8(-4.225,4.875) G9(-3.575,4.875) G11(-2.275,4.875) G12(-1.625,4.875) G14(-0.325,4.875) G15(0.325,4.875) G17(1.625,4.875) G18(2.275,4.875) G20(3.575,4.875) G21(4.225,4.875) G23(5.525,4.875) G24(6.175,4.875) G27(8.125,4.875) G28(8.775,4.875) H1(-8.775,4.225) H2(-8.125,4.225) H3(-7.475,4.225) H4(-6.825,4.225) H5(-6.175,4.225) H6(-5.525,4.225) H7(-4.875,4.225) H9(-3.575,4.225) H11(-2.275,4.225) H12(-1.625,4.225) H14(-0.325,4.225) H15(0.325,4.225) H17(1.625,4.225) H18(2.275,4.225) H20(3.575,4.225) H22(4.875,4.225) H23(5.525,4.225) H24(6.175,4.225) H25(6.825,4.225) H26(7.475,4.225) H27(8.125,4.225) H28(8.775,4.225) J1(-8.775,3.575) J2(-8.125,3.575) J3(-7.475,3.575) J4(-6.825,3.575) J5(-6.175,3.575) J6(-5.525,3.575) J7(-4.875,3.575) J8(-4.225,3.575) J9(-3.575,3.575) J11(-2.275,3.575) J12(-1.625,3.575) J14(-0.325,3.575) J15(0.325,3.575) J17(1.625,3.575) J18(2.275,3.575) J20(3.575,3.575) J21(4.225,3.575) J22(4.875,3.575) J23(5.525,3.575) J24(6.175,3.575) J25(6.825,3.575) J26(7.475,3.575) J27(8.125,3.575) J28(8.775,3.575) K1(-8.775,2.925) K2(-8.125,2.925) K10(-2.925,2.925) K11(-2.275,2.925) K12(-1.625,2.925) K13(-0.975,2.925) K14(-0.325,2.925) K15(0.325,2.925) K16(0.975,2.925) K17(1.625,2.925) K18(2.275,2.925) K19(2.925,2.925) K27(8.125,2.925) K28(8.775,2.925) L1(-8.775,2.275) L2(-8.125,2.275) L3(-7.475,2.275) L4(-6.825,2.275) L5(-6.175,2.275) L6(-5.525,2.275) L7(-4.875,2.275) L8(-4.225,2.275) L9(-3.575,2.275) L10(-2.925,2.275) L11(-2.275,2.275) L12(-1.625,2.275) L13(-0.975,2.275) L14(-0.325,2.275) L15(0.325,2.275) L16(0.975,2.275) L17(1.625,2.275) L18(2.275,2.275) L19(2.925,2.275) L20(3.575,2.275) L21(4.225,2.275) L22(4.875,2.275) L23(5.525,2.275) L24(6.175,2.275) L25(6.825,2.275) L26(7.475,2.275) L27(8.125,2.275) L28(8.775,2.275) M1(-8.775,1.625) M2(-8.125,1.625) M3(-7.475,1.625) M4(-6.825,1.625) M5(-6.175,1.625) M6(-5.525,1.625) M7(-4.875,1.625) M8(-4.225,1.625) M9(-3.575,1.625) M10(-2.925,1.625) M11(-2.275,1.625) M12(-1.625,1.625) M13(-0.975,1.625) M14(-0.325,1.625) M15(0.325,1.625) M16(0.975,1.625) M17(1.625,1.625) M18(2.275,1.625) M19(2.925,1.625) M20(3.575,1.625) M21(4.225,1.625) M22(4.875,1.625) M23(5.525,1.625) M24(6.175,1.625) M25(6.825,1.625) M26(7.475,1.625) M27(8.125,1.625) M28(8.775,1.625) N1(-8.775,0.975) N2(-8.125,0.975) N10(-2.925,0.975) N11(-2.275,0.975) N12(-1.625,0.975) N13(-0.975,0.975) N14(-0.325,0.975) N15(0.325,0.975) N16(0.975,0.975) N17(1.625,0.975) N18(2.275,0.975) N19(2.925,0.975) N27(8.125,0.975) N28(8.775,0.975) P1(-8.775,0.325) P2(-8.125,0.325) P3(-7.475,0.325) P4(-6.825,0.325) P5(-6.175,0.325) P6(-5.525,0.325) P7(-4.875,0.325) P8(-4.225,0.325) P9(-3.575,0.325) P10(-2.925,0.325) P11(-2.275,0.325) P12(-1.625,0.325) P13(-0.975,0.325) P14(-0.325,0.325) P15(0.325,0.325) P16(0.975,0.325) P17(1.625,0.325) P18(2.275,0.325) P19(2.925,0.325) P20(3.575,0.325) P21(4.225,0.325) P22(4.875,0.325) P23(5.525,0.325) P24(6.175,0.325) P25(6.825,0.325) P26(7.475,0.325) P27(8.125,0.325) P28(8.775,0.325) R1(-8.775,-0.325) R2(-8.125,-0.325) R3(-7.475,-0.325) R4(-6.825,-0.325) R5(-6.175,-0.325) R6(-5.525,-0.325) R7(-4.875,-0.325) R8(-4.225,-0.325) R9(-3.575,-0.325) R10(-2.925,-0.325) R11(-2.275,-0.325) R12(-1.625,-0.325) R13(-0.975,-0.325) R14(-0.325,-0.325) R15(0.325,-0.325) R16(0.975,-0.325) R17(1.625,-0.325) R18(2.275,-0.325) R19(2.925,-0.325) R20(3.575,-0.325) R21(4.225,-0.325) R22(4.875,-0.325) R23(5.525,-0.325) R24(6.175,-0.325) R25(6.825,-0.325) R26(7.475,-0.325) R27(8.125,-0.325) R28(8.775,-0.325) T1(-8.775,-0.975) T2(-8.125,-0.975) T10(-2.925,-0.975) T11(-2.275,-0.975) T12(-1.625,-0.975) T13(-0.975,-0.975) T14(-0.325,-0.975) T15(0.325,-0.975) T16(0.975,-0.975) T17(1.625,-0.975) T18(2.275,-0.975) T19(2.925,-0.975) T27(8.125,-0.975) T28(8.775,-0.975) U1(-8.775,-1.625) U2(-8.125,-1.625) U3(-7.475,-1.625) U4(-6.825,-1.625) U5(-6.175,-1.625) U6(-5.525,-1.625) U7(-4.875,-1.625) U8(-4.225,-1.625) U9(-3.575,-1.625) U10(-2.925,-1.625) U11(-2.275,-1.625) U12(-1.625,-1.625) U13(-0.975,-1.625) U14(-0.325,-1.625) U15(0.325,-1.625) U16(0.975,-1.625) U17(1.625,-1.625) U18(2.275,-1.625) U19(2.925,-1.625) U20(3.575,-1.625) U21(4.225,-1.625) U22(4.875,-1.625) U23(5.525,-1.625) U24(6.175,-1.625) U25(6.825,-1.625) U26(7.475,-1.625) U27(8.125,-1.625) U28(8.775,-1.625) V1(-8.775,-2.275) V2(-8.125,-2.275) V3(-7.475,-2.275) V4(-6.825,-2.275) V5(-6.175,-2.275) V6(-5.525,-2.275) V7(-4.875,-2.275) V8(-4.225,-2.275) V9(-3.575,-2.275) V10(-2.925,-2.275) V11(-2.275,-2.275) V12(-1.625,-2.275) V13(-0.975,-2.275) V14(-0.325,-2.275) V15(0.325,-2.275) V16(0.975,-2.275) V17(1.625,-2.275) V18(2.275,-2.275) V19(2.925,-2.275) V20(3.575,-2.275) V21(4.225,-2.275) V22(4.875,-2.275) V23(5.525,-2.275) V24(6.175,-2.275) V25(6.825,-2.275) V26(7.475,-2.275) V27(8.125,-2.275) V28(8.775,-2.275) W1(-8.775,-2.925) W2(-8.125,-2.925) W10(-2.925,-2.925) W11(-2.275,-2.925) W12(-1.625,-2.925) W13(-0.975,-2.925) W14(-0.325,-2.925) W15(0.325,-2.925) W16(0.975,-2.925) W17(1.625,-2.925) W18(2.275,-2.925) W19(2.925,-2.925) W27(8.125,-2.925) W28(8.775,-2.925) Y1(-8.775,-3.575) Y2(-8.125,-3.575) Y3(-7.475,-3.575) Y4(-6.825,-3.575) Y5(-6.175,-3.575) Y6(-5.525,-3.575) Y7(-4.875,-3.575) Y8(-4.225,-3.575) Y9(-3.575,-3.575) Y11(-2.275,-3.575) Y12(-1.625,-3.575) Y14(-0.325,-3.575) Y15(0.325,-3.575) Y17(1.625,-3.575) Y18(2.275,-3.575) Y20(3.575,-3.575) Y21(4.225,-3.575) Y22(4.875,-3.575) Y23(5.525,-3.575) Y24(6.175,-3.575) Y25(6.825,-3.575) Y26(7.475,-3.575) Y27(8.125,-3.575) Y28(8.775,-3.575)
  silkscreen extent -11.94,-10.5 10.5,11.94, body extent -9.5,-9.5 9.5,9.5, height 0.9
C0201 [mm]
  rect 0.368x0.324 smd paste-100 mask+0.051: 1(-0.274,0) 2(0.274,0)
  body extent -0.33,-0.15 0.33,0.16, height 0.3
C0402 [mm]
  rect 0.566x0.54 smd paste-100 mask+0.051: 1(-0.45,-0.005) 2(0.415,-0.005)
  body extent -0.48,-0.25 0.52,0.25, height 0.5
C0603 [mm]
  rect 0.806x0.864 smd paste-100 mask+0.051: 1(-0.753,0) 2(0.753,0)
  body extent -0.8,-0.4 0.8,0.4, height 0.5
CRY4_3R20X2R50X0R80 [mm] "CRY4_3R20X2R50X0R80"
  rect 1.4x1.2 smd: 1(-1.1,-0.85) 2(1.1,-0.85) 3(1.1,0.85) 4(-1.1,0.85)
  silkscreen extent -1.6,-2.02 1.6,1.26, body extent -1.6,-1.25 1.6,1.25, height 0.7
ESD0402 [mil] "ESD0402"
  oct 33.3x33.3 smd rot 87: 1(25,0.78) 2(-24.5,0)
  silkscreen extent -45,-20 55,20, body extent -32,-16 31,16, height 18
FBGA96_14R00X11R00X1R20 [mm] "FBGA96_14R00X11R00X1R20"
  round 0.38 smd: A1(-3.2,6) A2(-2.4,6) A3(-1.6,6) A7(1.6,6) A8(2.4,6) A9(3.2,6) B1(-3.2,5.2) B2(-2.4,5.2) B3(-1.6,5.2) B7(1.6,5.2) B8(2.4,5.2) B9(3.2,5.2) C1(-3.2,4.4) C2(-2.4,4.4) C3(-1.6,4.4) C7(1.6,4.4) C8(2.4,4.4) C9(3.2,4.4) D1(-3.2,3.6) D2(-2.4,3.6) D3(-1.6,3.6) D7(1.6,3.6) D8(2.4,3.6) D9(3.2,3.6) E1(-3.2,2.8) E2(-2.4,2.8) E3(-1.6,2.8) E7(1.6,2.8) E8(2.4,2.8) E9(3.2,2.8) F1(-3.2,2) F2(-2.4,2) F3(-1.6,2) F7(1.6,2) F8(2.4,2) F9(3.2,2) G1(-3.2,1.2) G2(-2.4,1.2) G3(-1.6,1.2) G7(1.6,1.2) G8(2.4,1.2) G9(3.2,1.2) H1(-3.2,0.4) H2(-2.4,0.4) H3(-1.6,0.4) H7(1.6,0.4) H8(2.4,0.4) H9(3.2,0.4) J1(-3.2,-0.4) J2(-2.4,-0.4) J3(-1.6,-0.4) J7(1.6,-0.4) J8(2.4,-0.4) J9(3.2,-0.4) K1(-3.2,-1.2) K2(-2.4,-1.2) K3(-1.6,-1.2) K7(1.6,-1.2) K8(2.4,-1.2) K9(3.2,-1.2) L1(-3.2,-2) L2(-2.4,-2) L3(-1.6,-2) L7(1.6,-2) L8(2.4,-2) L9(3.2,-2) M1(-3.2,-2.8) M2(-2.4,-2.8) M3(-1.6,-2.8) M7(1.6,-2.8) M8(2.4,-2.8) M9(3.2,-2.8) N1(-3.2,-3.6) N2(-2.4,-3.6) N3(-1.6,-3.6) N7(1.6,-3.6) N8(2.4,-3.6) N9(3.2,-3.6) P1(-3.2,-4.4) P2(-2.4,-4.4) P3(-1.6,-4.4) P7(1.6,-4.4) P8(2.4,-4.4) P9(3.2,-4.4) R1(-3.2,-5.2) R2(-2.4,-5.2) R3(-1.6,-5.2) R7(1.6,-5.2) R8(2.4,-5.2) R9(3.2,-5.2) T1(-3.2,-6) T2(-2.4,-6) T3(-1.6,-6) T7(1.6,-6) T8(2.4,-6) T9(3.2,-6)
  Top Layer lines w0.102: 2.8,-2.4 2.8,-2.4 3.2,-2.8
  Top Layer lines w0.305: -3.533,-1.666 -3.2,-2 ; 3.2,-5.2 3.6,-5.6
  silkscreen extent -6.85,-7 5.5,7, body extent -4.5,-6.53 4.5,6.5, height 1.2
R0201 [mm]
  rect 0.303x0.324 smd paste-100 mask+0.051: 1(-0.242,0) 2(0.242,0)
  body extent -0.3,-0.15 0.3,0.15, height 0.23
R0402 [mm]
  rect 0.566x0.54 smd paste-100 mask+0.051: 1(-0.433,0) 2(0.433,0)
  body extent -0.5,-0.25 0.5,0.25, height 0.35
RADIATOR_38RX38RX10R [mm] "RADIATOR_38RX38RX10R"
  round 3.8 / inner round 3.8 / far side round 5 hole 3.4: 1(-20.92,-20.97) 2(20.92,20.97)
  silkscreen extent -25,-25 25,25
SOT_23 [mm] "SOT_23"
  rect 0.8x1.1 smd: 1(-0.95,-1.1) 2(0.95,-1.1) 3(0,1.1)
  silkscreen extent -1.6,-0.9 1.6,0.9, body extent -1.49,-1.53 1.51,1.47, height 1.3
SOT_23_5 [mm] "SOT_23_5"
  oval 1.1x0.6 smd: 1(-1.4,1)
  rect 1.1x0.6 smd: 2(-1.4,0) 3(-1.4,-1) 4(1.4,-1) 5(1.4,1)
  silkscreen extent -0.52,-1.5 0.55,1.5, body extent -1.43,-1.47 1.37,1.43, height 1.09
SW2_6R00X3R70X2R50 [mm] "SW2_6R00X3R70X2R50"
  rect 1.2x1.7 smd: 1(0,-3.619) 2(0,3.681)
  silkscreen extent -1.85,-2.97 1.85,3.03, body extent -1.84,-3.94 1.86,4.06, height 2.5
TP_0R70 [mm] "TP_0R70"
  round 0.7 smd: 1(0,0)
  silkscreen extent -0.45,-0.45 0.45,0.45